# Altium PCB Seeed Case (113x70x25) - Alarm Interface (2560).PcbDoc (part 2 of 2)
Units mil, origin at the board's own origin, x right, y up, seen from the top; angles counter-clockwise.
Board outline 4320.68 x 2627.76 mil, 2 copper layers (Top Layer, Bottom Layer), stack 66.58 mil thick; 127 components, 103 nets, 521 pads, 183 vias.
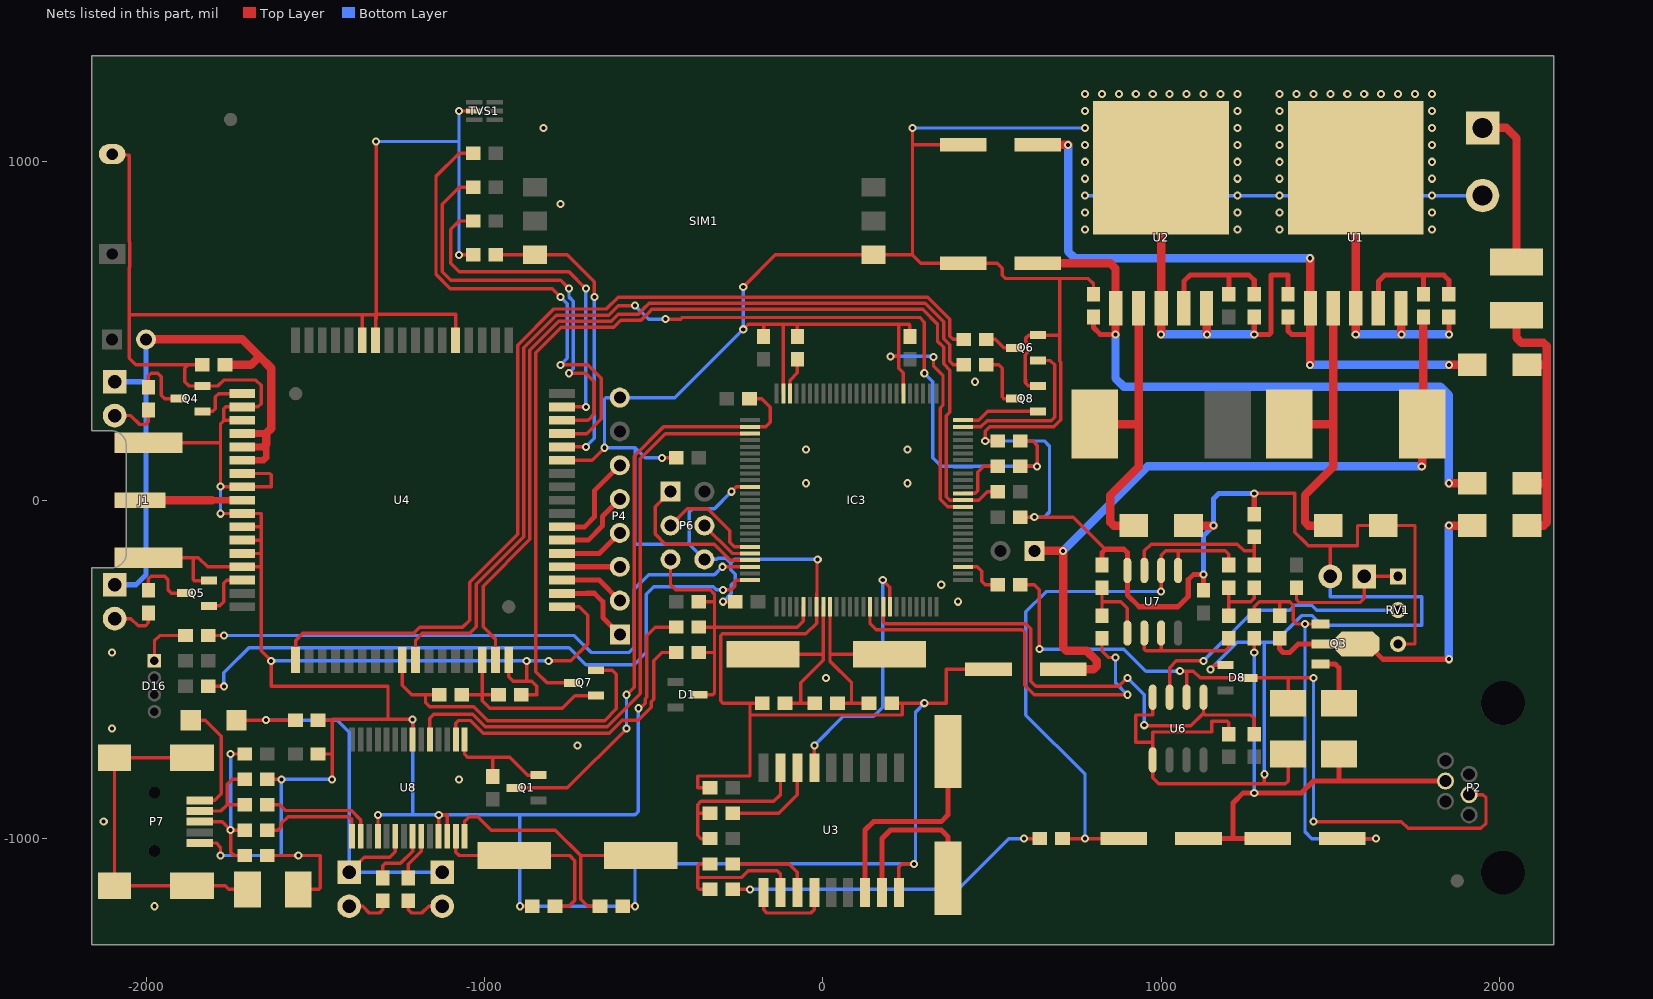
[diagram p2: the nets of this part, all layers, seen from the top]

## Via types
v1: diameter 24, hole 12, Top Layer to Bottom Layer, 183 vias

## Nets (pads, with @x,y where several pads share a name; then routed paths per layer and width w, separated by ;. In a path a pad name is that pad's centre, name@x,y a point inside that pad or via, vN(x,y) a via of type N, cw(c..) or ccw(c..) an arc to the next point about the centre after c; other vN are vias at no path point) (continued)
GND: C1.2 C2.2 C3.2 C6.2 C8.2 C10.2 C11.2 C17.2 C21.2 C23.2 C24.2 C25.2 C26.2 C27.1 C29.2 C30.2 C31.2 C32.2 C33.2 C34.2 C35.2 C36.2 C37.2 C38.2 C39.2 C40.2 D4.1 D6.1 D8.1 D15.2 D19.1 D20.1 IC3.11 IC3.32 IC3.62 IC3.81 IC3.99 J1.2 L3.2 P1.2 P4.8 P6.6 P7.5 Q4.2 Q5.2 Q6.2 Q8.2 R10.1 R17.1 R25.1 R38.2 R41.1 RV1.3 SIM1.C5 TVS1.2 U1.3 U1.5 U1.6 U2.3 U2.5 U2.6 U3.9 U4.17 U4.18 U4.29 U4.39 U4.45 U4.46 U4.53 U4.54 U4.58 U4.59 U4.61 U4.62 U4.63 U4.64 U4.65 U6.4 U6.5 U7.4 U8.7 U8.18 U8.25 U8.26 | length 31975.3
  Top Layer w10: C11.2@-2100,1022.64 -2097.36,1020 -2050,1020 -2050,764.64 -2047.63,762.27 -2047.63,690.08 -2050,687.71 -2050,420 -2030,400 -1875,400 ; -2048.4,548.4 -1360.97,548.4 ; J1.2@-1992.86,-170 -1860,-170 ; J1.2@-1992.86,170 -1780,170 ; P7.5@-1841.14,-1012.99 -1792.01,-1012.99 -1780,-1025 v1(-1780,-1050) ; C17.2@-1833.46,400 -1875,400 ; Q5.2@-1814.57,-237.6 -1857.4,-237.6 -1860,-235 -1860,-170 ; v1(-1780,-40) -1779.37,-39.37 U4.61@-1715.3,-39.37 -1660.63,-39.37 -1660,-40 -1660,-195 ; U4.59@-1715.93,40 v1(-1780,40) -1780,170 ; U4.64@-1715.3,-157.48 -1662.48,-157.48 ; U4.63@-1715.3,-118.11 -1663.11,-118.11 ; U4.62@-1715.3,-78.74 -1661.26,-78.74 ; U4.59@-1715.3,39.37 -1630.63,39.37 ; U4.58@-1715.3,78.74 -1633.74,78.74 -1630,75 -1630,39.37 ; U4.54@-1715.3,236.22 -1768.78,236.22 -1770,235 ; D20.1@-1641.54,-1050 v1(-1550,-1050) -1485,-1050 -1485,-1145 -1490,-1150 L3.2@-1549.99,-1149.99 ; D19.1@-1641.54,-825 v1(-1600,-825) ; C36.2@-1491.54,-750 -1450,-750 ; C35.2@-1491.54,-650 -1450,-650 ; v1(-1450,-825) -1450,-750 ; U4.46@-1360.97,472.44 -1360.97,548.4 ; U4.45@-1321.6,472.44 -1321.6,548.4 -1360.97,548.4 ; -1320,536.6 -1320,550 ; v1(-1320,1060) -1320,550 ; U8.18@-1314.56,-992.72 v1(-1314.56,-930.44) ; -1285,-642.8 -1285,-550 -1630,-550 v1(-1630,-475) -1660,-445 -1660,-195 ; U8.7@-1212.2,-707.28 v1(-1212.2,-647.8) -1447.8,-647.8 -1450,-650 ; U8.25@-1135.43,-992.72 -1135,-992.29 v1(-1135,-930) -1110,-930 -1109.84,-930.16 U8.26@-1109.84,-992.72 ; U4.39@-1085.37,472.44 -1085,472.81 -1085,550 -1320,550 ; v1(-1075,725) C6.2@-1033.46,725 ; v1(-1075,1150) TVS1.2@-1030.51,1150 ; U4.17@-927.89,-472.44 -927.89,-522.11 -915,-535 -875,-535 ; v1(-895,-1200) C40.2@-858.46,-1200 ; C25.2@-891.54,-575 -845,-575 -845,-550 -860,-535 -875,-535 ; v1(-875,-475) -875,-535 ; v1(-810,-475) -745,-475 -695,-425 -695,-340 -720.04,-314.96 U4.18@-770.41,-314.96 ; U4.29@-770.41,118.11 -681.89,118.11 v1(-645,155) ; C39.2@-591.54,-1200 v1(-555,-1200) ; v1@-540,-615 -524.97,-599.97 -524.97,-587.62 -520,-582.65 -520,-400 -495,-375 C27.1@-433.46,-375 ; v1(-475,125) C32.2@-433.46,125 ; C8.2@-333.46,-850 -370,-850 -370,-815 -215,-815 -215,-635 ; v1(-295,-300) C31.2@-258.46,-300 ; v1(-270,25) -255.63,39.37 IC3.11@-214.96,39.37 ; v1(-235,505) -220,520 -175,520 ; v1(-235,630) -140,725 SIM1.C5@150,725 265,725 ; C38.2@-178.46,-600 -215,-600 ; C30.2@-175,483.46 -175,520 ; IC3.99@-116.53,314.96 -116.53,518.47 ; C29.2@-75,483.46 -75,520 ; v1(-15,-175) -17.29,-177.29 -17.29,-273.49 -18.11,-274.31 IC3.32@-18.11,-314.96 -18.11,-363.11 -50,-395 -297,-395 -302,-400 -302,-593 -295,-600 -215,-600 ; v1(200,425) 224.79,425 ; C37.2@203.46,-600 235,-600 ; U3.9@225,-1159.05 225,-1085 235,-1075 v1(270,-1075) ; IC3.81@237.8,314.96 237.8,376.49 224.79,389.5 224.79,425 ; C34.2@257.48,483.46 257.48,517.52 255,520 225,520 ; v1(265,1100) 265,1050 ; v1(327.04,422.96) 327.04,397.04 355.14,368.95 355.14,280.05 347,271.91 347,2.54 369.22,-19.68 383.32,-19.68 ; C1.2@414.76,1050 265,1050 ; C26.2@489.76,-500 365,-500 365,-600 v1(300,-600) 235,-600 ; R38.2@516.54,175 v1(480,175) 480,204.09 492.91,217 682.46,217 703,237.54 703,407.46 700,410.46 700,490 ; C33.2@583.46,-50 v1(625,-50) 740,-50 835,-145 ; 598.81,348.62 598.81,430.43 605,436.62 605,463.38 600,468.38 600,479.19 608.21,487.4 Q6.2@635.43,487.4 697.4,487.4 700,490 ; 600,356.42 600,345.61 608.21,337.4 Q8.2@635.43,337.4 ; C10.2@800,608.46 800,640 785,655 700,655 ; U6.4@975,-582.48 975,-635 925,-635 925,-715 975,-715 ; v1(1145.25,-500) 1145.25,-499.75 1157.4,-487.6 D8.1@1189.57,-487.6 ; C21.2@1200,-691.54 1200,-658 1195,-653 1150,-653 1150,-685 975,-685 975,-715 ; v1(1275,20) 1395,20 1395,-94.64 1425,-124.64 1425,-125 1435,-135 1500,-135 ; v1(1305,-810) 1305,-838 ; R17.1@1375,-750 1375,-830 1367,-838 1305,-838 ; D15.2@1500.06,-225.28 1500.06,-135.06 1500,-135 ; RV1.3@1700,-425 1750,-425 1750,-75 D6.1@1656,-75 1580,-75 1580,-135 1500,-135 ; -1875,400 -1885,390 -1885,350 -1872.4,337.4 Q4.2@-1832.42,337.4 -1787.6,337.4 -1770,355 -1675.5,355 -1660,339.5 -1660,285 -1669.41,275.59 U4.53@-1715.3,275.59 -1764.41,275.59 -1770,270 -1770,235 ; -1860,-170 -1845,-170 -1818.15,-196.85 U4.65@-1715.3,-196.85 -1661.85,-196.85 -1660,-195 ; -1780,170 -1780,225 -1770,235 ; -1450,-750 -1450,-650 ; -215,-635 235,-635 235,-600 ; -215,-635 -215,-600 ; -175,520 -75,520 ; -75,520 225,520 ; 224.79,425 224.79,443.78 225,443.98 225,520 ; 265,725 265,1050 ; 265,725 290,700 C3.2@414.76,700 515,700 530,685 530,665 540,655 700,655 ; 700,490 700,655 ; 975,-715 U6.5@975,-767.52 975,-820 993,-838 1305,-838
  Top Layer w15: R41.1@825,-191.54 825,-155 835,-145 890,-145 900,-155 U7.4@900,-207.48 900,-280 935,-315 1050,-315 1080,-285 1080,-235 1095,-220 v1(1125,-220) C24.2@1125,-266.54 ; C23.2@1275,-41.54 v1(1275,20) ; R25.1@1275,541.54 v1(1275,490) 1320,490 1325,495 1325,665 1375,665 C2.2@1375,608.46 ; v1(1850,490) R10.1@1850,541.54
  Top Layer w25: v1(1000,490) U2.3@1000,567.32 U2.6@1000,982.68 ; D4.1@1081,-75 v1(1155,-75) ; U2.5@1133.86,567.32 1135,566.18 v1(1135,490) ; v1(1575,490) U1.3@1575,567.32 U1.6@1575,982.68 ; U1.5@1708.86,567.32 1710,566.18 v1(1710,490)
  Bottom Layer w10: v1(-1780,-1050) -1600,-1050 ; v1(-1780,-40) v1(-1780,40) ; v1(-1630,-475) v1(-875,-475) v1(-810,-475) ; v1(-1550,-1050) -1600,-1050 ; v1(-1450,-825) v1(-1600,-825) -1600,-1050 ; v1(-1320,1060) -1075,1060 ; v1(-1314.56,-930.44) -1315,-930 v1(-1135,-930) -895,-930 ; -1212.2,-927.2 v1(-1212.2,-647.8) ; v1(-1075,725) -1075,1060 ; v1(-1075,1150) -1075,1060 ; v1(-545.18,-614.82) -545.18,-920.18 -555,-930 -895,-930 ; v1(-475,125) -525,125 -555,155 ; v1(-295,-300) -294.64,-300 -270,-275.36 -270,-250.36 -258.85,-239.21 -258.85,-218.49 -271.85,-205.49 -271.85,-186.49 ; v1(-270,25) -320,-25 -385,-25 -395,-35 -395,-130 ; v1(-235,630) v1(-235,505) -436.85,303.15 P4.8@-600,303.15 -641.85,303.15 -645,300 v1(-645,155) -555,155 ; v1(-15,-175) -260.36,-175 -271.85,-186.49 ; v1(200,425) 325,425 v1(327.04,422.96) ; v1(265,1100) v1(775,1100) ; v1(300,-600) 273.91,-626.09 273.91,-1071.09 v1(270,-1075) -555,-1075 v1(-555,-1200) v1(-895,-1200) -895,-930 ; v1(480,175) 655,175 670,160 670,-35 655,-50 v1(625,-50) ; v1(775,900) v1(1225,900) v1(1350,900) v1(1800,900) P1.2@1950,900 ; v1(1145.25,-500) 1225.25,-420 1305,-420 ; v1(1305,-810) 1305,-420 ; D15.2@1500.06,-225.28 1500.06,-284.94 1500,-285 1770,-285 1770,-370 1475,-370 1445.94,-340.94 1414.64,-340.94 1335.59,-420 1305,-420 ; -555,155 -555,-130 -395,-130 ; -395,-130 P6.6@-350,-175 -313.15,-175 -310,-171.85 -286.49,-171.85 -271.85,-186.49
  Bottom Layer w15: v1(1125,-220) 1125,-105 v1(1155,-75) 1155,5 1170,20 v1(1275,20)
  Bottom Layer w25: v1(1000,490) v1(1135,490) v1(1275,490) ; v1(1575,490) v1(1710,490) v1(1850,490)
  other v1: -1975,-1200 -2125,-950 -1075,-825 -725,-725 -2100,-675 10,-525 -2100,-450 400,-300 350,-250 -50,50 250,50 -50,150 250,150 450,350 775,800 1225,800 1350,800 1800,800 775,850 1225,850 1350,850 1800,850 -775,875 775,950 1225,950 1350,950 1800,950 775,1000 1225,1000 1350,1000 1800,1000 775,1050 1225,1050 1350,1050 1800,1050 -825,1100 1225,1100 1350,1100 1800,1100 775,1150 1225,1150 1350,1150 1800,1150 775,1200 825,1200 875,1200 925,1200 975,1200 1025,1200 1075,1200 1125,1200 1175,1200 1225,1200 1350,1200 1400,1200 1450,1200 1500,1200 1550,1200 1600,1200 1650,1200 1700,1200 1750,1200 1800,1200
GREEN: IC3.25 R12.1 | length 1913.5
  Top Layer w10: R12.1@-1816.54,-550 v1(-1770,-550) ; v1(-295,-265) -270,-265 -260,-255 -260,-240.36 -255.86,-236.22 IC3.25@-214.96,-236.22
  Bottom Layer w10: v1(-1770,-550) -1770,-510 -1760,-500 -1759.64,-500 -1695.64,-436 -749.91,-436 -699.91,-486 -557.59,-486 -521.47,-449.88 -521.47,-277.38 -500.09,-256 -324,-256 -315,-265 v1(-295,-265)
LINE: C4.2 C7.2 C22.2 U7.1 U7.2 | length 1754.2
  Top Layer w10: C7.2@708.46,-1000 v1(775,-1000) C4.2@889.76,-1000 ; v1(1000,-270) U7.2@1000,-207.48 1000,-163 1013,-150 1050,-150 ; U7.1@1050,-207.48 1050,-150 ; C22.2@1200,-191.54 1200,-160 1190,-150 1050,-150
  Bottom Layer w10: v1(775,-1000) 775,-810 600,-635 600,-330 660,-270 v1(1000,-270)
LINE_L: P4.6 U4.24 | length 291.5
  Top Layer w15: U4.24@-770.41,-78.74 -703.74,-78.74 -675,-50 -675,28.15 P4.6@-600,103.15
LINE_R: P4.5 U4.23 | length 237.1
  Top Layer w15: U4.23@-770.41,-118.11 -693.11,-118.11 -651.57,-76.57 -651.57,-48.43 P4.5@-600,3.15
MIC_N: P4.2 U4.20 | length 195.5
  Top Layer w15: U4.20@-770.41,-236.22 -660.63,-236.22 P4.2@-600,-296.85
MIC_P: P4.1 U4.19 | length 248.6
  Top Layer w15: U4.19@-770.41,-275.59 -699.41,-275.59 -698.82,-275 -675,-275 -650,-300 -650,-346.85 P4.1@-600,-396.85
MISO: IC3.22 P6.1 | length 455.6
  Top Layer w10: P6.1@-450,25 -495,-20 -495,-100 -465,-130 -320.91,-130 -273.75,-177.16 IC3.22@-214.96,-177.16
MOSI: IC3.21 P6.4 | length 169.5
  Top Layer w10: P6.4@-350,-75 -350,-75.46 -267.98,-157.48 IC3.21@-214.96,-157.48
NetC7_1: C7.1 R7.1 | length 970.2
  Top Layer w10: R7.1@-266.54,-1150 v1(-215,-1150) ; v1(595,-1000) C7.1@641.54,-1000
  Bottom Layer w10: v1(-215,-1150) 400,-1150 550,-1000 v1(595,-1000)
NetC9_2: C9.2 R9.2 U3.17 | length 503.7
  Top Layer w10: C9.2@-333.46,-1000 -360,-1000 -370,-990 -370,-925 ; R9.2@-333.46,-925 -370,-925 ; U3.17@-125,-790.94 -125,-870 -145,-890 -360,-890 -370,-900 -370,-925
NetC16_1: C16.1 Q3.3 R15.1 R19.2 | length 1255.2
  Top Layer w10: R19.2@1275,-341.54 1275,-315.46 1290.46,-300 1350,-300 ; R15.1@1350,-341.54 1350,-300 ; Q3.3@1470.37,-365.94 v1(1425,-365.94) 1400.94,-365.94 1390,-355 1390,-310 1380,-300 1350,-300 ; C16.1@1535.24,-1000 v1(1635,-1000)
  Bottom Layer w10: v1(1425,-365.94) 1425,-980 1445,-1000 v1(1635,-1000)
NetC22_1: C22.1 R30.1 R31.2 | length 193.8
  Top Layer w10: R31.2@1200,-341.54 1200,-300 ; C22.1@1200,-258.46 1200,-300 ; R30.1@1275,-258.46 1275,-290 1265,-300 1200,-300
NetC23_1: C23.1 R30.2 U7.3 | length 482.1
  Top Layer w10: U7.3@950,-207.48 950,-150 970,-130 1225,-130 1245,-150 1275,-150 ; R30.2@1275,-191.54 1275,-150 ; C23.1@1275,-108.46 1275,-150
NetC26_1: C26.1 L2.2 P5.1 R8.2 | length 2212.3
  Top Layer w15: L2.2@1771.85,225 L2.2@1775,228.15
  Top Layer w25: P5.1@625,-150 v1(710,-150) 710.24,-150.24 710.24,-435 720.24,-445 779.69,-445 810,-475.31 810,-490 800,-500 C26.1@710.24,-500 ; v1(1770,100) 1771.85,101.85 L2.2@1771.85,225 ; L2.2@1775,228.15 R8.2@1775,541.54
  Bottom Layer w25: v1(710,-150) 960,100 v1(1770,100)
NetC28_1: C28.1 U8.2 | length 893.1
  Top Layer w10: U8.2@-1084.25,-707.28 -1084.25,-659.25 -1076,-651 -1041.91,-651 -1003.94,-688.98 -631.52,-688.98 -592.54,-650 -545,-650 -506.97,-611.97 -506.97,-595.08 -500,-588.11 -500,-475 -475,-450 C28.1@-433.46,-450
NetC29_1: C29.1 IC3.98 | length 110.6
  Top Layer w10: IC3.98@-96.85,314.96 -96.85,355 -75,376.85 C29.1@-75,416.54
NetC39_1: C39.1 U8.28 Y4.2 | length 812.8
  Top Layer w10: U8.28@-1058.66,-992.72 -1058.66,-948.66 -1045,-935 -1020,-935 -980,-975 -790,-975 -715,-1050 ; C39.1@-658.46,-1200 -695,-1200 -715,-1180 -715,-1050 ; Y4.2@-537.99,-1050 -715,-1050
NetC40_1: C40.1 U8.27 Y4.1 | length 592.9
  Top Layer w10: U8.27@-1084.25,-992.72 -1084.25,-1040.75 -1075,-1050 Y4.1@-912.01,-1050 -748,-1050 -733,-1065 -733,-1183 -750,-1200 C40.1@-791.54,-1200
NetD4_2: D4.2 L1.1 U2.2 | length 869.8
  Top Layer w25: L1.1@803.15,225 933.07,225 ; D4.2@919,-75 860,-75 850,-65 850,15 933.07,98.07 933.07,225 ; U2.2@933.07,567.32 933.07,225
NetD6_2: D6.2 L2.1 U1.2 | length 869.8
  Top Layer w25: L2.1@1378.15,225 1508.07,225 ; D6.2@1494,-75 1435,-75 1425,-65 1425,15 1508.07,98.07 1508.07,225 ; U1.2@1508.07,567.32 1508.07,225
NetD7_2: D7.2 R27.2 | length 141.6
  Top Layer w10: D7.2@-2092.57,-349.94 -2045.06,-349.94 -2023.57,-371.43 -2001.43,-371.43 -1992.86,-362.86 R27.2@-1992.86,-333.46
NetD10_2: D10.2 R18.2 | length 148.6
  Top Layer w10: D10.2@-2092.57,250.06 -2045.06,250.06 -2018.57,223.57 -2001.43,223.57 -1992.86,232.14 R18.2@-1992.86,266.54
NetD15_1: D15.1 R21.1 RV1.1 | length 409.4
  Top Layer w10: R21.1@1400,-258.46 1400,-294.54 1408,-302.54 1587.46,-302.54 1600.06,-289.94 D15.1@1600.06,-225.28 1699.72,-225.28 RV1.1@1700,-225
NetD17_2: D17.2 R48.2 | length 138.7
  Top Layer w10: D17.2@-1399.72,-1199.94 -1360.06,-1199.94 -1340,-1220 -1310,-1220 -1300,-1210 R48.2@-1300,-1183.46
NetD18_2: D18.2 R51.2 | length 138.7
  Top Layer w10: R51.2@-1225,-1183.46 -1225,-1210 -1215,-1220 -1185,-1220 -1164.94,-1199.94 D18.2@-1125.28,-1199.94
NetF5_1: F5.1 P7.1 | length 348
  Top Layer w10: F5.1@-1867.5,-650 -1825,-650 -1778,-697 -1778,-868 -1797.01,-887.01 ; P7.1@-1841.14,-887.01 -1800.01,-887.01
NetIC3_53: IC3.53 R11.2 | length 141.2
  Top Layer w10: IC3.53@414.97,-196.85 456.85,-196.85 470,-210 470,-240 480,-250 R11.2@516.54,-250
NetL3_1: L3.1 P7.0 | length 1004
  Top Layer w10: P7.0@-1864.76,-761.02 P7.0@-2093.11,-761.02 P7.0@-2093.11,-1138.98 P7.0@-1864.76,-1138.98 -1766.02,-1138.98 -1755,-1150 L3.1@-1700,-1150
NetQ1_2: Q1.2 R44.1 U8.1 | length 345.1
  Top Layer w10: U8.1@-1058.66,-707.28 -1058.66,-751.34 -1050,-760 -975,-760 ; R44.1@-975,-816.54 -975,-760 ; Q1.2@-839.57,-812.6 -872.4,-812.6 -925,-760 -975,-760
NetQ3_1: Q3.1 R13.2 | length 164.2
  Top Layer w15: Q3.1@1470.37,-484.05 1514.05,-484.05 1524.99,-494.99 R13.2@1524.99,-599.99
NetQ4_3: Q4.3 R18.1 | length 189.8
  Top Layer w10: R18.1@-1992.86,333.46 -1992.86,367.14 -1985,375 -1965,375 -1955,365 -1955,310 -1945,300 Q4.3@-1903.29,300
NetQ5_3: Q5.3 R27.1 | length 182.6
  Top Layer w10: R27.1@-1992.86,-266.54 -1992.86,-232.86 -1985,-225 -1945,-225 -1935,-235 -1935,-265 -1925,-275 Q5.3@-1885.43,-275
NetQ6_3: Q6.3 R34.1 | length 91.5
  Top Layer w10: R34.1@483.46,475 510,475 535,450 Q6.3@564.57,450
NetQ7_2: Q7.2 R36.1 U4.9 | length 985
  Top Layer w10: U4.9@-1242.85,-472.44 -1242.85,-547.15 -1215,-575 -1174.23,-575 ; R36.1@-1133.46,-575 -1174.23,-575 ; Q7.2@-669.57,-502.6 -622.4,-502.6 -610.24,-514.76 -610.24,-616.78 -644.75,-651.29 -990.71,-651.29 -1031.77,-610.24 -1161.42,-610.24 -1174.23,-597.42 -1174.23,-575
NetQ8_3: Q8.3 R39.1 | length 172.3
  Top Layer w10: R39.1@483.46,400 520,400 530,390 530,305 535,300 Q8.3@564.57,300
NetR6_1: R6.1 R7.2 U3.2 | length 453.7
  Top Layer w10: R7.2@-333.46,-1150 -365,-1150 -370,-1145 -370,-1115 ; R6.1@-333.46,-1075 -365,-1075 -370,-1080 -370,-1115 ; U3.2@-125,-1159.05 -125,-1105 -135,-1095 -220,-1095 -240,-1115 -370,-1115
NetR6_2: R6.2 U3.3 | length 260.9
  Top Layer w10: R6.2@-266.54,-1075 -100,-1075 -75,-1100 U3.3@-75,-1159.05
NetR8_1: R8.1 R10.2 U1.4 | length 399.4
  Top Layer w15: U1.4@1641.93,567.32 1641.93,646.93 1660,665 1775,665 ; R8.1@1775,608.46 1775,665 ; R10.2@1850,608.46 1850,650 1835,665 1775,665
NetR9_1: R9.1 U3.16 | length 293.4
  Top Layer w10: R9.1@-266.54,-925 -130,-925 -75,-870 U3.16@-75,-790.94
NetR24_1: R24.1 R25.2 U2.4 | length 399.4
  Top Layer w15: U2.4@1066.93,567.32 1066.93,646.93 1085,665 1200,665 ; R24.1@1200,608.46 1200,665 ; R25.2@1275,608.46 1275,650 1260,665 1200,665
NetR31_1: R31.1 U7.6 U7.7 | length 377.7
  Top Layer w10: U7.6@950,-392.52 950,-440 955,-445 1005,-445 1190,-445 1200,-435 R31.1@1200,-408.46 ; 1000,-440 U7.7@1000,-392.52
NetR34_2: R34.2 U4.1 | length 2926.5
  Top Layer w10: U4.1@-1557.82,-472.44 -1557.82,-414.74 -1536.78,-393.7 -1209.25,-393.7 -1191.25,-375.7 -1064.68,-375.7 -1043.31,-354.33 -1043.31,-242.4 -902,-101.09 -902,428.83 -901.89,428.94 -901.89,458.11 -795,565 -640,565 -605,600 309.91,600 375,534.91 375,485 385,475 R34.2@416.54,475
NetR37_2: R37.2 R38.1 U4.10 | length 3294.9
  Top Layer w10: U4.10@-1203.48,-472.44 -1203.48,-413.39 -1183.79,-393.7 -1043.31,-393.7 -1023.62,-374.02 -1023.62,-248.17 -884,-108.54 -884,421.26 -883.89,421.37 -883.89,450.66 -787.54,547 -632.54,547 -604.54,575 v1(-555,575) ; v1(-465,535) -420,535 -415,540 286,540 300,526 v1(300,375) ; R37.2@583.46,100 v1(633.46,100) 633.46,161.54 620,175 R38.1@583.46,175
  Bottom Layer w10: v1(-555,575) -515,535 v1(-465,535) ; v1(300,375) 325,350 325,125 350,100 v1(633.46,100)
NetR39_2: R39.2 U4.16 | length 2421.1
  Top Layer w10: -967.26,-431.73 -967.26,-410.7 -1003.94,-374.02 -1003.94,-253.94 -866,-116 -866,413.69 -865.89,413.8 -865.89,443.2 -780.09,529 -625.09,529 -604.09,550 -544.64,550 -530,564.64 -530,565 -513,582 302.46,582 357,527.46 357,477.54 375,459.54 375,410 385,400 R39.2@416.54,400
NetR40_2: R40.2 R41.2 U7.5 | length 238.9
  Top Layer w10: R40.2@825,-341.54 825,-300 ; R41.2@825,-258.46 825,-300 ; U7.5@900,-392.52 900,-320 880,-300 825,-300
NetR49_2: R49.2 U8.16 | length 342.1
  Top Layer w10: R49.2@-1641.54,-900 -1605,-900 -1588,-917 -1393.88,-917 -1365.74,-945.13 U8.16@-1365.74,-992.72
NetR50_2: R50.2 U8.15 | length 324.5
  Top Layer w10: R50.2@-1641.54,-975 -1610,-975 -1600,-965 -1600,-955 -1580,-935 -1401.33,-935 -1391.33,-945 U8.15@-1391.33,-992.72
NetU3_1: U3.1 U3.4 | length 260.2
  Top Layer w10: U3.1@-175,-1159.05 -175,-1210 -165,-1220 -35,-1220 -25,-1210 U3.4@-25,-1159.05
NetU3_7: U3.7 Y1.1 | length 634.7
  Top Layer w15: U3.7@125,-1159.05 125,-975 150,-950 350,-950 370,-930 Y1.1@370,-742.99
NetU3_8: U3.8 Y1.2 | length 494.7
  Top Layer w15: U3.8@175,-1159.05 175,-1000 200,-975 350,-975 370,-995 Y1.2@370,-1117.01
O\F\F\H\O\O\K\: IC3.42 R22.1 U6.1 | length 1547.5
  Top Layer w10: IC3.42@178.74,-314.96 178.74,-358.74 185,-365 600,-365 615,-380 615,-535 630,-550 875,-550 v1(900,-525) ; v1(950,-665) 952,-667 1088,-667 1125,-630 ; U6.1@1125,-582.48 1125,-630 ; R22.1@1275,-691.54 1275,-645 1265,-635 1130,-635 1125,-630
  Bottom Layer w10: v1(900,-525) 950,-575 v1(950,-665)
PL2303_RXD: IC3.3 U8.5 | length 1794.1
  Top Layer w10: U8.5@-1161.02,-707.28 -1161.02,-644.02 -1150,-633 -1034.46,-633 -998.17,-669.29 -637.29,-669.29 -539.47,-571.47 -539.47,122.38 -465,196.85 IC3.3@-214.96,196.85
PL2303_TXD: IC3.2 Q1.3 R45.1 | length 1777.9
  Top Layer w10: Q1.3@-910.43,-850 -755,-850 v1(-580,-675) ; v1(-580,-575) -557.47,-552.47 -557.47,129.83 -470.77,216.54 IC3.2@-214.96,216.54 -168.46,216.54 -155,230 -155,275 -180,300 R45.1@-216.54,300
  Bottom Layer w10: v1(-580,-675) v1(-580,-575)
R1: D16.1 R1.2 | length 157.8
  Top Layer w10: D16.1@-1975,-475 -1975,-415 -1960,-400 R1.2@-1883.46,-400
R\E\S\E\T\: C27.2 C28.2 D1.3 IC3.30 P6.5 R20.1 | length 1002.4
  Top Layer w10: P6.5@-450,-175 -450,-250 -435,-265 -332.5,-265 -320,-277.5 -320,-300 ; C28.2@-366.54,-450 -325,-450 ; C27.2@-366.54,-375 -320,-375 ; R20.1@-366.54,-300 -320,-300 ; D1.3@-364.57,-575 -325,-575 -320,-570 -320,-375 ; IC3.30@-57.48,-314.96 -57.48,-357.48 -75,-375 -320,-375 ; -320,-375 -320,-300
RED: IC3.23 R1.1 | length 1828.2
  Top Layer w10: R1.1@-1816.54,-400 v1(-1770,-400) ; v1(-296.85,-196.85) IC3.23@-214.96,-196.85
  Bottom Layer w10: v1(-1770,-400) -735,-400 -685,-450 -572.5,-450 -557.47,-434.97 -557.47,-262.47 -515,-220 -320,-220 v1(-296.85,-196.85)
REF: RV1.2 U6.3 | length 845.3
  Top Layer w10: U6.3@1025,-582.48 1025,-495 1045,-475 v1(1125,-475)
  Bottom Layer w10: v1(1125,-475) 1275,-325 1380,-325 1395,-310 1445,-310 1460,-325 RV1.2@1700,-325
RF_ANT: J1.1 U4.60 | length 302.6
  Top Layer w20: -1805,0 U4.60@-1715.3,0
  Top Layer w25: J1.1@-2017.86,0 -1805,0
RING(-): D8.3 P2.4 R11.1 R17.2 U6.2 | length 2314.1
  Top Layer w10: R11.1@583.46,-250 625,-250 640,-265 v1(640,-440) ; v1(1055,-505) 1075,-505 ; U6.2@1075,-582.48 1075,-505 ; R17.2@1374.99,-599.99 1375,-525 ; v1(1450,-950) 1710,-950 1730,-970 1945,-970 1960,-955 1960,-880 1950,-870 P2.4@1910,-870 ; v1(1450,-525) 1375,-525 ; 1075,-505 1095,-505 1115,-525 D8.3@1260.43,-525 1375,-525
  Bottom Layer w10: v1(640,-440) 890,-440 955,-505 v1(1055,-505) ; v1(1450,-950) v1(1450,-525)
RXLED: R48.1 U8.22 | length 186.5
  Top Layer w10: R48.1@-1300,-1116.54 -1300,-1080 -1293,-1073 -1248,-1073 -1212.2,-1037.2 U8.22@-1212.2,-992.72
SCK: IC3.20 P6.3 | length 323.1
  Top Layer w10: P6.3@-450,-75 -400,-25 -339.86,-25 -275,-89.86 -275,-125 -262.21,-137.79 IC3.20@-214.96,-137.79
SIM900_NETLIGHT: Q4.1 U4.52 | length 159.3
  Top Layer w10: Q4.1@-1832.42,262.6 -1802.4,262.6 -1795,270 -1795,305 -1785,315 -1770.08,315 ; -1770.04,314.96 U4.52@-1715.3,314.96
SIM900_P\W\R\: IC3.74 Q6.1 | length 491.6
  Top Layer w10: IC3.74@414.97,216.54 467,216.54 485.46,235 675,235 685,245 685,400 672.4,412.6 Q6.1@635.43,412.6
SIM900_R\E\S\E\T\: IC3.75 Q8.1 | length 231.4
  Top Layer w10: IC3.75@414.97,236.22 461.22,236.22 487.6,262.6 Q8.1@635.43,262.6
SIM900_RXD: IC3.64 R37.1 | length 166.7
  Top Layer w10: IC3.64@414.97,19.69 415.74,20.46 449.88,20.46 457.5,28.08 457.5,82.5 475,100 R37.1@516.54,100
SIM900_STATUS: Q5.1 U4.66 | length 163
  Top Layer w10: Q5.1@-1814.57,-312.4 -1782.4,-312.4 -1770,-300 -1770,-245 -1761.22,-236.22 U4.66@-1715.3,-236.22
SIM900_TXD: IC3.63 Q7.3 R35.1 | length 3017.6
  Top Layer w10: Q7.3@-740.43,-540 -815,-540 -848,-507 -848,406.12 -847.89,406.23 -847.89,435.75 -772.63,511 -617.63,511 -596.63,532 -537.19,532 -512,557.19 -512,557.54 -505.54,564 295,564 339,520 339,470.09 357,452.09 357,402.54 375,384.54 375,260 365,250 365,10 375,0 IC3.63@414.97,0 460.46,0 485.46,25 R35.1@516.54,25
SIM_CLK: R3.1 U4.32 | length 1252.3
  Top Layer w10: R3.1@-1033.46,925 -1075,925 -1125,875 -1125,675 -1100,650 -775,650 v1(-750,625) ; U4.32@-770.41,236.22 -693.78,236.22 -675,255 -675,350 -700,375 v1(-750,375)
  Bottom Layer w10: v1(-750,375) -737,388 -737,587.46 -750,600.46 v1(-750,625)
SIM_DATA: R4.1 U4.31 | length 1429.6
  Top Layer w10: R4.1@-1033.46,1025 -1075,1025 -1143,957 -1143,667.54 -1100.46,625 -800,625 v1(-775,600) ; v1(-775,400) -695,400 -655,360 -655,240 -698.15,196.85 U4.31@-770.41,196.85
  Bottom Layer w10: v1(-775,400) -755,420 -755,580 v1(-775,600)
SIM_RST: R5.1 U4.33 | length 1028.6
  Top Layer w10: R5.1@-1033.46,825 -1075,825 -1100,800 -1100,700 -1075,675 -750,675 v1(-700,625) ; U4.33@-770.41,275.59 -700.59,275.59 v1(-700,275)
  Bottom Layer w10: v1(-700,275) v1(-700,625)
SIM_VDD: C6.1 SIM1.C1 U4.30 | length 893
  Top Layer w10: C6.1@-966.54,725 SIM1.C1@-850,725 -755,725 -675,645 v1(-675,600) ; U4.30@-770.41,157.48 v1(-700,157.48)
  Bottom Layer w10: v1(-700,157.48) -675,182.48 v1(-675,600)
SPK_N: P4.4 U4.22 | length 195.5
  Top Layer w15: U4.22@-770.41,-157.48 -660.63,-157.48 P4.4@-600,-96.85
SPK_P: P4.3 U4.21 | length 170.4
  Top Layer w15: U4.21@-770.41,-196.85 P4.3@-600,-196.85
STD: IC3.43 U3.15 | length 778.1
  Top Layer w10: U3.15@-25,-790.94 v1(-25,-725) ; v1(177.17,-236.22) 198.43,-257.49 IC3.43@198.43,-314.96
  Bottom Layer w10: v1(-25,-725) 61,-639 150,-639 177.17,-611.83 v1(177.17,-236.22)
TIP(+): C4.1 C16.2 P2.3 R13.1 R19.1 | length 1502.6
  Top Layer w10: v1(1275,-450) R19.1@1275,-408.46
  Top Layer w15: C4.1@1110.24,-1000 1212.5,-1000 ; C16.2@1314.76,-1000 1212.5,-1000 ; R13.1@1525,-750 1525,-825 1520,-830 ; P2.3@1840,-830 1520,-830 ; 1212.5,-1000 1212.5,-895 1242.5,-865 v1(1275,-865) 1415,-865 1450,-830 1520,-830
  Bottom Layer w10: v1(1275,-865) v1(1275,-450)
TONE: IC3.40 R40.1 | length 1198.6
  Top Layer w10: IC3.40@139.37,-314.96 139.37,-364.37 158,-383 590,-383 597,-390 597,-547 625,-575 v1(900,-575) ; R40.1@825,-408.46 825,-445 845,-465 v1(865,-465)
  Bottom Layer w10: v1(865,-465) 865,-540 v1(900,-575)
TXLED: R51.1 U8.23 | length 139.7
  Top Layer w10: R51.1@-1225,-1116.54 -1225,-1075.46 -1186.61,-1037.07 U8.23@-1186.61,-992.72
USB+: D20.2 P7.3 R50.1 R53.2 | length 520.2
  Top Layer w10: P7.3@-1841.14,-950 -1775,-950 v1(-1750,-975) ; v1(-1750,-750) R53.2@-1708.46,-750 ; D20.2@-1708.46,-1050 -1740,-1050 -1750,-1040 v1(-1750,-975) ; R50.1@-1708.46,-975 v1(-1750,-975)
  Bottom Layer w10: v1(-1750,-975) v1(-1750,-750)
USB-: D19.2 P7.2 R49.1 | length 258.1
  Top Layer w10: P7.2@-1841.14,-918.5 -1778.5,-918.5 -1760,-900 ; R49.1@-1708.46,-900 -1760,-900 ; D19.2@-1708.46,-825 -1745,-825 -1760,-840 -1760,-900
USB_5V: C35.1 D17.1 D18.1 F5.2 U8.20 | length 1331.1
  Top Layer w10: F5.2@-1732.5,-650 v1(-1645,-650) C35.1@-1558.46,-650 ; D17.1@-1399.72,-1099.94 -1354.78,-1055 -1280,-1055 -1263.38,-1038.38 U8.20@-1263.38,-992.72
  Bottom Layer w10: v1(-1645,-650) -1435,-650 -1399.72,-685.28 D17.1@-1399.72,-1099.94 D18.1@-1124.72,-1099.94
V+: D2.1 D3.1 D5.1 FUSE2.2 | length 867.2
  Top Layer w25: FUSE2.2@2050,546.26 2050,480 2065,465 2129.85,465 2139.85,455 2139.85,400 ; D5.1@2081,-75 2130,-75 2139.85,-65.15 2139.85,50 ; D3.1@2081,50 2139.85,50 ; D2.1@2081,400 2139.85,400 ; 2139.85,50 2139.85,400
V+1: C3.1 C10.1 D3.2 U2.1 | length 2000.5
  Top Layer w15: C10.1@800,541.54 800,510 820,490 v1(865,490)
  Top Layer w25: C3.1@635.24,700 850,700 865,685 v1(865,490) ; v1(1850,50) D3.2@1919,50
  Bottom Layer w25: v1(865,490) 865,360 890,335 1825,335 1850,310 v1(1850,50)
V+2: C1.1 C2.1 D2.2 U1.1 | length 2032.1
  Top Layer w15: C2.1@1375,541.54 1375,500 1385,490 1440,490
  Top Layer w25: C1.1@635.24,1050 v1(725,1050) ; v1(1440,400) 1440,490 U1.1@1440,566.18 ; v1(1440,715) 1440,568.46 U1.1@1441.14,567.32 ; v1(1850,400) D2.2@1919,400
  Bottom Layer w25: v1(725,1050) 725,735 745,715 v1(1440,715) ; v1(1440,400) v1(1850,400)
V_LINE: D5.2 Q3.2 R15.2 | length 1028.7
  Top Layer w15: R15.2@1350,-408.46 1350,-440 1360,-450 1380,-450 1405,-425 Q3.2@1579.63,-425 1610,-425 1655,-470 v1(1850,-470)
  Top Layer w25: v1(1850,-75) D5.2@1919,-75
  Bottom Layer w25: v1(1850,-470) v1(1850,-75)
VBAT: C17.1 D7.1 D10.1 P3.2 U4.55 U4.56 U4.57 | length 1889.1
  Top Layer w20: U4.57@-1715.3,118.11 -1653.15,118.11 -1645,126.26 -1645,165.63 ; U4.56@-1715.3,157.48 -1653.15,157.48 ; U4.55@-1715.3,196.85 -1653.15,196.85
  Top Layer w25: P3.2@-2000,475 -1715,475 -1665,425 ; C17.1@-1766.54,400 -1690,400 -1665,425 ; -1653.15,157.48 -1645,165.63 -1645,196.85 -1630,211.85 -1630,390 -1665,425
  Bottom Layer w15: D7.1@-2092.57,-249.94 -2029.94,-249.94 -2000.06,-220.06 -2000.06,350.06 ; D10.1@-2092.57,350.06 -2000.06,350.06 ; P3.2@-2000,475 -2000,350 -2000.06,350.06
VDD_EXT: C25.1 Q7.1 R36.2 U4.15 | length 590.2
  Top Layer w10: R36.2@-1066.54,-575 -1006.63,-575 ; U4.15@-1006.63,-472.44 -1006.63,-575 ; C25.1@-958.46,-575 -1006.63,-575 ; Q7.1@-669.57,-577.4 -732.4,-577.4 -770,-615 -984.25,-615 -1006.63,-592.63 -1006.63,-575
VIN: FUSE2.1 P1.1 | length 478.7
  Top Layer w25: P1.1@1950,1100 2020,1100 2050,1070 FUSE2.1@2050,703.74
XTAL1: C37.1 IC3.34 R43.2 Y3.2 | length 580.3
  Top Layer w10: IC3.34@21.26,-314.96 21.26,-450 ; R43.2@43.46,-600 85,-600 ; C37.1@131.54,-600 85,-600 ; Y3.2@197.01,-455 21.26,-455 21.26,-450 ; 21.26,-450 21.26,-476.26 85,-540 85,-600
XTAL2: C38.1 IC3.33 R43.1 Y3.1 | length 579.3
  Top Layer w10: Y3.1@-177.01,-455 1.58,-455 ; C38.1@-111.54,-600 -65,-600 ; R43.1@-23.46,-600 -65,-600 ; IC3.33@1.58,-314.96 1.58,-455 ; -65,-600 -65,-540 1.58,-473.42 1.58,-455
pads on no net: D1.1 F1.0 F2.0 F3.0 F4.0 IC3.1 IC3.4 IC3.5 IC3.6 IC3.7 IC3.8 IC3.9 IC3.12 IC3.13 IC3.14 IC3.15 IC3.16 IC3.17 IC3.18 IC3.19 IC3.26 IC3.27 IC3.28 IC3.29 IC3.35 IC3.36 IC3.37 IC3.38 IC3.39 IC3.41 IC3.48 IC3.49 IC3.50 IC3.51 IC3.52 IC3.54 IC3.55 IC3.56 IC3.57 IC3.58 IC3.59 IC3.60 IC3.65 IC3.66 IC3.67 IC3.68 IC3.69 IC3.70 IC3.71 IC3.72 IC3.73 IC3.76 IC3.77 IC3.78 IC3.79 IC3.82 IC3.83 IC3.84 IC3.85 IC3.86 IC3.87 IC3.88 IC3.89 IC3.90 IC3.91 IC3.92 IC3.93 IC3.94 IC3.95 IC3.96 IC3.97 P2.0 P2.1 P2.2 P2.5 P2.6 P7.4 P7.MT SIM1.C6 TVS1.1 TVS1.3 U3.5 U3.6 U4.2 U4.3 U4.4 U4.5 U4.6 U4.7 U4.8 U4.11 U4.12 U4.13 U4.14 U4.25 U4.26 U4.27 U4.28 U4.34 U4.35 U4.36 U4.37 U4.38 U4.40 U4.41 U4.42 U4.43 U4.44 U4.47 U4.48 U4.49 U4.50 U4.51 U4.67 U4.68 U6.7 U8.3 U8.6 U8.8 U8.9 U8.10 U8.11 U8.12 U8.13 U8.14 U8.21 U8.24

## Polygon pours and split planes (outlines as drawn)
GND on Top Layer "Top Layer-No Net" (solid, remove dead copper, pour order 2): -2165.36,1318.9 -2165.35,1318.9 2165.35,1318.9 2165.35,-1318.9 -2165.36,-1318.9 -2165.36,1318.9
GND on Bottom Layer "Top Layer-No Net" (solid, remove dead copper, pour order 9): -2165.36,1318.9 -2165.35,1318.9 2165.35,1318.9 2165.35,-1318.9 -2165.36,-1318.9 -2165.36,1318.9

## Silkscreen, mask and mechanical layers (free items; w line width, h text height)
Top Overlay:
  text "⋮" at -550,775 h40
  text "NASCO" at 500,-1200 h40
  text "ALARM GATEWAY" at 500,-1300 h40
  text "V100" at 1325,-1300 h40
  text "20140320" at 1800,-1300 h40
Bottom Overlay:
  text "http://ludzinc.blogspot.com.au" at 373.74,1107.32 h40
  text "⋮" at -1000,725 h40
Mechanical 1:
  lines w10: -2165.36,-1318.9 2165.35,-1318.9 ; -2165.36,-1318.9 -2165.36,-1318.9 ; -2165.36,-1318.9 -2165.36,-1318.9 ; -2165.36,-1318.9 2165.35,-1318.9 ; -2165.36,-1318.9 -2165.36,-195 ; -2165.36,-1318.9 -2165.36,-195 ; -2165.36,-1318.9 -2165.36,-1318.9 ; -2165.36,-1318.9 2165.35,-1318.9 ; -2165.36,-195 -2102.3,-195 ; -2165.36,-195 -2102.3,-195 ; -2165.36,-195 -2165.36,-195 ; -2165.36,-195 -2102.3,-195 ; -2165.36,200 -2102.3,200 ; -2165.36,200 -2165.36,1318.9 ; -2165.36,200 -2102.3,200 ; -2165.36,200 -2165.36,1318.9 ; -2165.36,200 -2165.36,1318.9 ; -2165.36,200 -2102.3,200 ; -2165.36,1318.9 2165.35,1318.9 ; -2165.36,1318.9 2165.35,1318.9 ; -2165.36,1318.9 2165.35,1318.9 ; -2102.3,-195 ccw(c-2102.3,-155.63) -2062.93,-155.63 -2062.93,160.63 ccw(c-2102.3,160.63) -2102.3,200 ; 2165.35,-1318.9 2165.35,1318.9 ; 2165.35,-1318.9 2165.35,-1318.9 ; 2165.35,-1318.9 2165.35,-1318.9 ; 2165.35,-1318.9 2165.35,1318.9 ; 2165.35,-1318.9 2165.35,1318.9 ; 2165.35,1318.9 2165.35,1318.9 ; 0,1318.9 0,1318.9
Mechanical 2:
  lines w10: -2210.63,-1397.64 -2210.63,1397.64 2210.63,1397.64 2210.63,-1397.64 -2210.63,-1397.64 ; 2165.35,1257.85 2165.35,1257.85
Mechanical 3:
  lines w10: -2300,-299.94 -2092.57,-299.94 ; -2300,0 -2000,0 ; -2300,300 -2092.57,300 ; -2092.57,-349.94 -2092.57,-249.94 ; -2092.57,250.06 -2092.57,350.06 ; -1975,-1036.61 -1975,-863.39 ; 2231.5,-506.1 2400,-506.1 ; 2231.49,-411.61 2400,-411.61 ; 2300,0 2400,0 ; -2300,-550 -1975,-550 -2300,-550 ; -1975,-575 -1975,-525 -1975,-575

## Text inside footprints (layer, text, board x,y; h text height)
C1: Top Overlay "+" at 554.53,913.19 h40
C3: Top Overlay "+" at 554.53,563.19 h40
C4: Top Overlay "+" at 1029.53,-1136.81 h40
C11: Top Overlay "+" at -2099.48,663.11 h40
C16: Top Overlay "+" at 1454.53,-1136.81 h40
C26: Top Overlay "+" at 629.53,-636.81 h40